# KiCad board 96_keeb.kicad_pcb
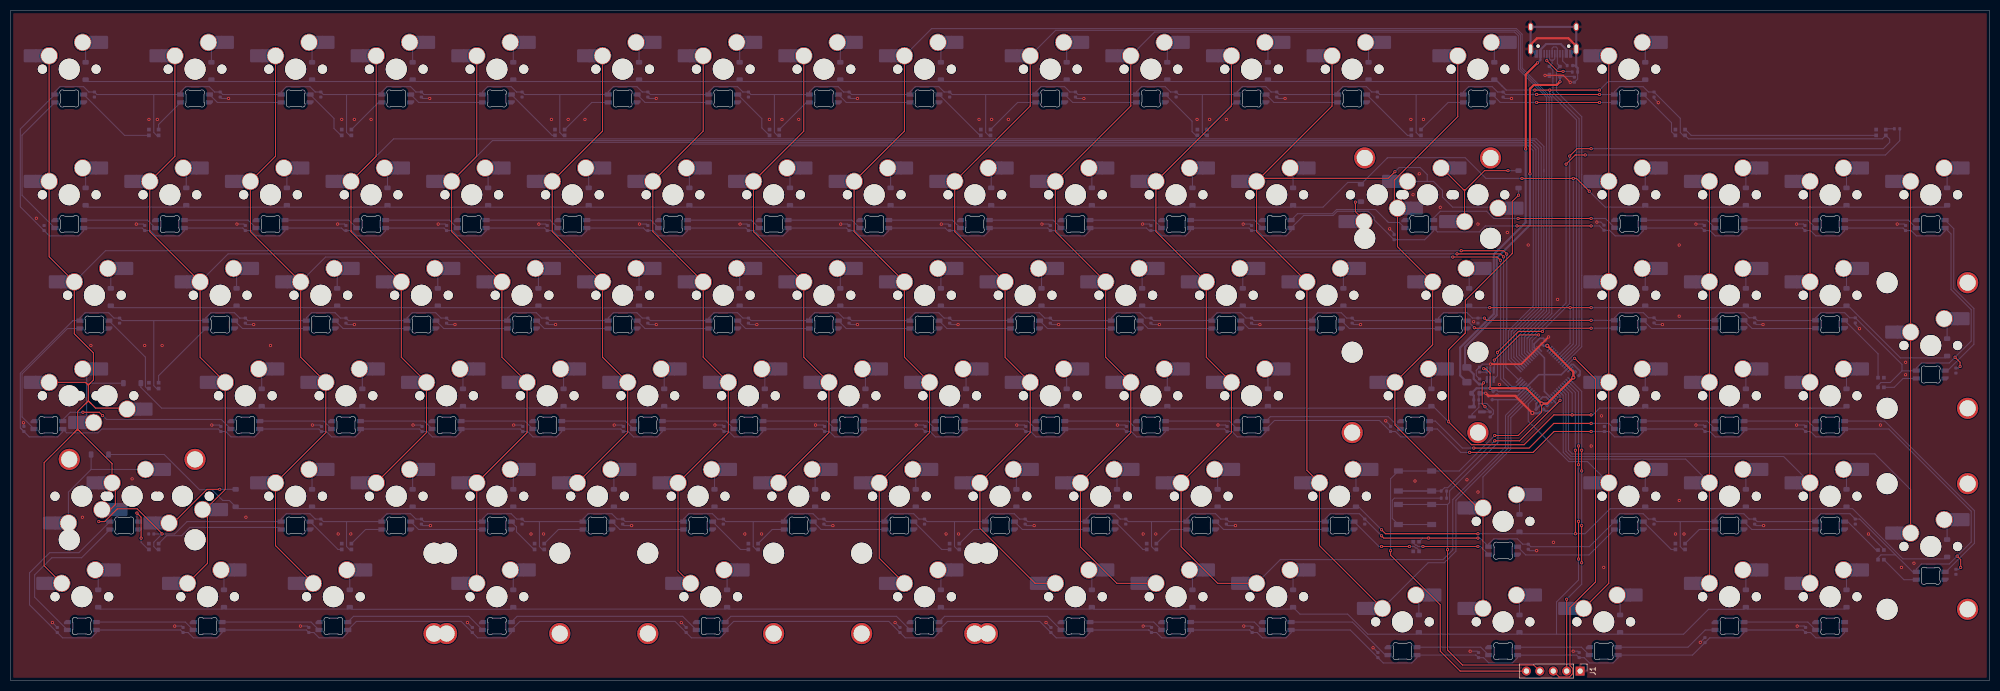
[diagram p0: board, top side]
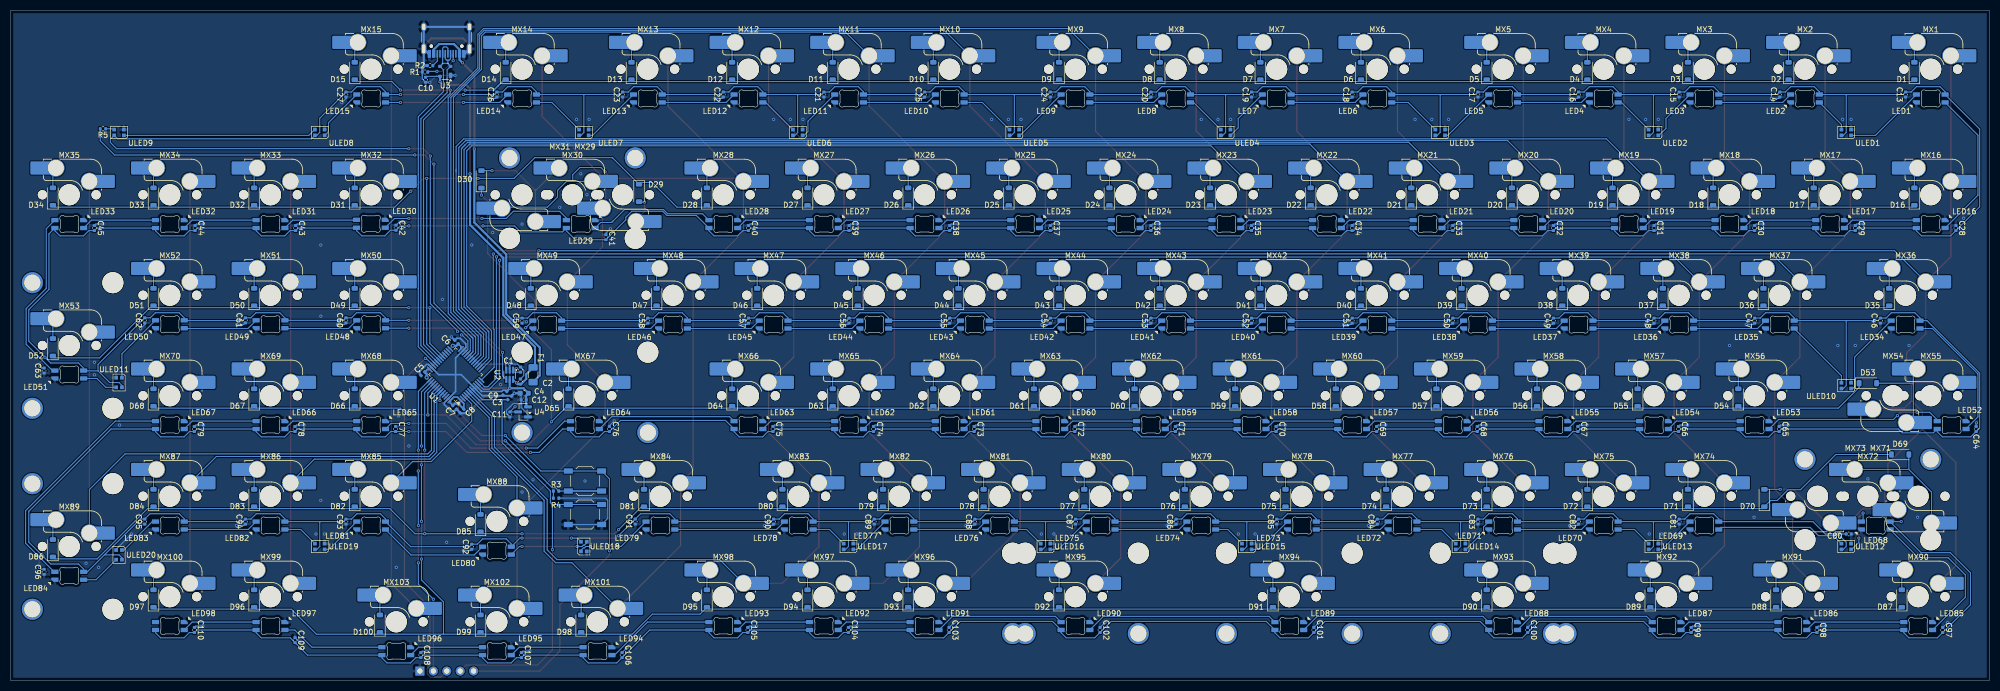
[diagram p1: board, bottom side, seen from below]

Outline 374.65 x 127 mm; copper layers: Top, Bottom. Coordinates in mm from the lower left corner of the outline.
Outline path: 0,127 374.65,127 374.65,0 0,0 0,127
Stack: Top 0.035mm / dielectric 1.51mm FR4 er 4.5 / Bottom 0.035mm

## Placement (name value [footprint] x y rotation side)
BOOT1  SW_SPST  [SW_SPST_TL3342]  265.9 37.81 180 bottom
C1  0.1uF  [C_0402_1005Metric]  278.11 58.93 270 bottom
C2  0.1uF  [C_0402_1005Metric]  278.12 56.67 90 bottom
C3  100nF  [C_0402_1005Metric]  280.18 53.57 135 bottom
C4  10uF  [C_0603_1608Metric]  277.38 54.45 0 bottom
C5  100nF  [C_0402_1005Metric]  296.59 58.14 315 bottom
C6  100nF  [C_0402_1005Metric]  290.22 64.15 45 bottom
C7  100nF  [C_0402_1005Metric]  290.58 51.78 225 bottom
C8  100nF  [C_0402_1005Metric]  289.16 51.07 315 bottom
C9  100nF  [C_0402_1005Metric]  281.06 54.45 315 bottom
C10  100nF  [C_0402_1005Metric]  296.07 113.88 270 bottom
C11  1uF  [C_0402_1005Metric]  280.12 50.43 270 bottom
C12  1uF  [C_0402_1005Metric]  277.51 53.19 0 bottom
C13  100nF  [C_0402_1005Metric]  15.87 111.08 90 bottom
C14  100nF  [C_0402_1005Metric]  39.69 111.08 90 bottom
C15  100nF  [C_0402_1005Metric]  58.74 111.08 90 bottom
C16  100nF  [C_0402_1005Metric]  77.79 111.08 90 bottom
C17  100nF  [C_0402_1005Metric]  96.84 111.08 90 bottom
C18  100nF  [C_0402_1005Metric]  120.65 111.08 90 bottom
C19  100nF  [C_0402_1005Metric]  139.7 111.08 90 bottom
C20  100nF  [C_0402_1005Metric]  158.75 111.08 90 bottom
C21  100nF  [C_0402_1005Metric]  220.66 111.08 90 bottom
C22  100nF  [C_0402_1005Metric]  239.71 111.08 90 bottom
C23  100nF  [C_0402_1005Metric]  258.76 111.08 90 bottom
C24  100nF  [C_0402_1005Metric]  177.8 111.08 90 bottom
C25  100nF  [C_0402_1005Metric]  201.61 111.08 90 bottom
C26  100nF  [C_0402_1005Metric]  282.57 111.08 90 bottom
C27  100nF  [C_0402_1005Metric]  311.15 111.08 90 bottom
C28  100nF  [C_0402_1005Metric]  6.35 85.77 270 bottom
C29  100nF  [C_0402_1005Metric]  25.4 85.77 270 bottom
C30  100nF  [C_0402_1005Metric]  44.45 85.77 270 bottom
C31  100nF  [C_0402_1005Metric]  63.5 85.77 270 bottom
C32  100nF  [C_0402_1005Metric]  82.55 85.77 270 bottom
C33  100nF  [C_0402_1005Metric]  101.6 85.77 270 bottom
C34  100nF  [C_0402_1005Metric]  120.65 85.77 270 bottom
C35  100nF  [C_0402_1005Metric]  139.7 85.77 270 bottom
C36  100nF  [C_0402_1005Metric]  158.75 85.77 270 bottom
C37  100nF  [C_0402_1005Metric]  177.8 85.77 270 bottom
C38  100nF  [C_0402_1005Metric]  196.85 85.77 270 bottom
C39  100nF  [C_0402_1005Metric]  215.9 85.77 270 bottom
C40  100nF  [C_0402_1005Metric]  234.95 85.77 270 bottom
C41  100nF  [C_0402_1005Metric]  261.94 84.03 270 bottom
C42  100nF  [C_0402_1005Metric]  301.68 85.82 270 bottom
C43  100nF  [C_0402_1005Metric]  320.68 85.77 270 bottom
C44  100nF  [C_0402_1005Metric]  339.73 85.77 270 bottom
C45  100nF  [C_0402_1005Metric]  358.77 85.77 270 bottom
C46  100nF  [C_0402_1005Metric]  20.64 68.22 90 bottom
C47  100nF  [C_0402_1005Metric]  44.45 68.22 90 bottom
C48  100nF  [C_0402_1005Metric]  63.5 68.22 90 bottom
C49  100nF  [C_0402_1005Metric]  82.55 68.22 90 bottom
C50  100nF  [C_0402_1005Metric]  101.6 68.22 90 bottom
C51  100nF  [C_0402_1005Metric]  120.65 68.22 90 bottom
C52  100nF  [C_0402_1005Metric]  139.7 68.22 90 bottom
C53  100nF  [C_0402_1005Metric]  158.75 68.22 90 bottom
C54  100nF  [C_0402_1005Metric]  177.8 68.22 90 bottom
C55  100nF  [C_0402_1005Metric]  196.85 68.22 90 bottom
C56  100nF  [C_0402_1005Metric]  215.9 68.22 90 bottom
C57  100nF  [C_0402_1005Metric]  234.95 68.22 90 bottom
C58  100nF  [C_0402_1005Metric]  254 68.22 90 bottom
C59  100nF  [C_0402_1005Metric]  277.81 68.22 90 bottom
C60  100nF  [C_0402_1005Metric]  311.15 68.27 90 bottom
C61  100nF  [C_0402_1005Metric]  330.2 68.27 90 bottom
C62  100nF  [C_0402_1005Metric]  349.25 68.27 90 bottom
C63  100nF  [C_0402_1005Metric]  368.3 58.75 90 bottom
C64  100nF  [C_0402_1005Metric]  2.52 47.67 270 bottom
C65  100nF  [C_0402_1005Metric]  39.81 47.67 270 bottom
C66  100nF  [C_0402_1005Metric]  58.86 47.67 270 bottom
C67  100nF  [C_0402_1005Metric]  77.91 47.67 270 bottom
C68  100nF  [C_0402_1005Metric]  96.96 47.67 270 bottom
C69  100nF  [C_0402_1005Metric]  116.01 47.67 270 bottom
C70  100nF  [C_0402_1005Metric]  135.06 47.67 270 bottom
C71  100nF  [C_0402_1005Metric]  154.11 47.67 270 bottom
C72  100nF  [C_0402_1005Metric]  173.16 47.67 270 bottom
C73  100nF  [C_0402_1005Metric]  192.21 47.67 270 bottom
C74  100nF  [C_0402_1005Metric]  211.26 47.67 270 bottom
C75  100nF  [C_0402_1005Metric]  230.31 47.67 270 bottom
C76  100nF  [C_0402_1005Metric]  261.27 47.67 270 bottom
C77  100nF  [C_0402_1005Metric]  301.75 47.67 270 bottom
C78  100nF  [C_0402_1005Metric]  320.8 47.67 270 bottom
C79  100nF  [C_0402_1005Metric]  339.85 47.67 270 bottom
C80  100nF  [C_0402_1005Metric]  26.64 27.77 0 bottom
C81  100nF  [C_0402_1005Metric]  58.74 30.12 90 bottom
C82  100nF  [C_0402_1005Metric]  77.79 30.12 90 bottom
C83  100nF  [C_0402_1005Metric]  96.84 30.12 90 bottom
C84  100nF  [C_0402_1005Metric]  115.89 30.12 90 bottom
C85  100nF  [C_0402_1005Metric]  134.94 30.12 90 bottom
C86  100nF  [C_0402_1005Metric]  153.99 30.12 90 bottom
C87  100nF  [C_0402_1005Metric]  173.04 30.12 90 bottom
C88  100nF  [C_0402_1005Metric]  192.09 30.12 90 bottom
C89  100nF  [C_0402_1005Metric]  211.14 30.12 90 bottom
C90  100nF  [C_0402_1005Metric]  230.19 30.12 90 bottom
C91  100nF  [C_0402_1005Metric]  256.38 30.12 90 bottom
C92  100nF  [C_0402_1005Metric]  287.34 25.36 90 bottom
C93  100nF  [C_0402_1005Metric]  311.15 30.12 90 bottom
C94  100nF  [C_0402_1005Metric]  330.2 30.12 90 bottom
C95  100nF  [C_0402_1005Metric]  349.25 30.12 90 bottom
C96  100nF  [C_0402_1005Metric]  368.3 20.59 90 bottom
C97  100nF  [C_0402_1005Metric]  8.84 9.57 270 bottom
C98  100nF  [C_0402_1005Metric]  32.66 9.57 270 bottom
C99  100nF  [C_0402_1005Metric]  56.47 9.57 270 bottom
C100  100nF  [C_0402_1005Metric]  87.43 9.57 270 bottom
C101  100nF  [C_0402_1005Metric]  127.91 9.57 270 bottom
C102  100nF  [C_0402_1005Metric]  168.39 9.57 270 bottom
C103  100nF  [C_0402_1005Metric]  196.96 9.57 270 bottom
C104  100nF  [C_0402_1005Metric]  216.01 9.57 270 bottom
C105  100nF  [C_0402_1005Metric]  235.06 9.57 270 bottom
C106  100nF  [C_0402_1005Metric]  258.88 4.8 270 bottom
C107  100nF  [C_0402_1005Metric]  277.93 4.8 270 bottom
C108  100nF  [C_0402_1005Metric]  296.98 4.8 270 bottom
C109  100nF  [C_0402_1005Metric]  320.79 7.64 270 bottom
C110  100nF  [C_0402_1005Metric]  339.84 9.57 270 bottom
D1  D  [D_SOD-123]  14.21 115.54 90 bottom
D2  D  [D_SOD-123]  38.02 115.54 90 bottom
D3  D  [D_SOD-123]  57.07 115.54 90 bottom
D4  D  [D_SOD-123]  76.12 115.54 90 bottom
D5  D  [D_SOD-123]  95.17 115.54 90 bottom
D6  D  [D_SOD-123]  118.99 115.54 90 bottom
D7  D  [D_SOD-123]  138.04 115.54 90 bottom
D8  D  [D_SOD-123]  157.09 115.54 90 bottom
D9  D  [D_SOD-123]  176.14 115.54 90 bottom
D10  D  [D_SOD-123]  199.95 115.54 90 bottom
D11  D  [D_SOD-123]  219 115.54 90 bottom
D12  D  [D_SOD-123]  238.05 115.54 90 bottom
D13  D  [D_SOD-123]  257.1 115.54 90 bottom
D14  D  [D_SOD-123]  280.91 115.54 90 bottom
D15  D  [D_SOD-123]  309.49 115.54 90 bottom
D16  D  [D_SOD-123]  14.21 91.73 90 bottom
D17  D  [D_SOD-123]  33.26 91.73 90 bottom
D18  D  [D_SOD-123]  52.31 91.73 90 bottom
D19  D  [D_SOD-123]  71.36 91.73 90 bottom
D20  D  [D_SOD-123]  90.41 91.73 90 bottom
D21  D  [D_SOD-123]  109.46 91.73 90 bottom
D22  D  [D_SOD-123]  128.51 91.73 90 bottom
D23  D  [D_SOD-123]  147.56 91.73 90 bottom
D24  D  [D_SOD-123]  166.61 91.73 90 bottom
D25  D  [D_SOD-123]  185.66 91.73 90 bottom
D26  D  [D_SOD-123]  204.71 91.73 90 bottom
D27  D  [D_SOD-123]  223.76 91.73 90 bottom
D28  D  [D_SOD-123]  242.81 91.73 90 bottom
D29  D  [D_SOD-123]  255.66 92.42 270 bottom
D30  D  [D_SOD-123]  285.5 95 90 bottom
D31  D  [D_SOD-123]  309.49 91.73 90 bottom
D32  D  [D_SOD-123]  328.54 91.73 90 bottom
D33  D  [D_SOD-123]  347.59 91.73 90 bottom
D34  D  [D_SOD-123]  366.64 91.73 90 bottom
D35  D  [D_SOD-123]  18.97 72.68 90 bottom
D36  D  [D_SOD-123]  42.79 72.68 90 bottom
D37  D  [D_SOD-123]  61.84 72.68 90 bottom
D38  D  [D_SOD-123]  80.89 72.68 90 bottom
D39  D  [D_SOD-123]  99.94 72.68 90 bottom
D40  D  [D_SOD-123]  118.99 72.68 90 bottom
D41  D  [D_SOD-123]  138.04 72.68 90 bottom
D42  D  [D_SOD-123]  157.09 72.68 90 bottom
D43  D  [D_SOD-123]  176.14 72.68 90 bottom
D44  D  [D_SOD-123]  195.19 72.68 90 bottom
D45  D  [D_SOD-123]  214.24 72.68 90 bottom
D46  D  [D_SOD-123]  233.29 72.68 90 bottom
D47  D  [D_SOD-123]  252.34 72.68 90 bottom
D48  D  [D_SOD-123]  276.15 72.68 90 bottom
D49  D  [D_SOD-123]  309.49 72.68 90 bottom
D50  D  [D_SOD-123]  328.54 72.68 90 bottom
D51  D  [D_SOD-123]  347.59 72.68 90 bottom
D52  D  [D_SOD-123]  366.64 63.16 90 bottom
D53  D  [D_SOD-123]  23.02 56.36 180 bottom
D54  D  [D_SOD-123]  47.55 53.63 90 bottom
D55  D  [D_SOD-123]  66.6 53.63 90 bottom
D56  D  [D_SOD-123]  85.65 53.63 90 bottom
D57  D  [D_SOD-123]  104.7 53.63 90 bottom
D58  D  [D_SOD-123]  123.75 53.63 90 bottom
D59  D  [D_SOD-123]  142.8 53.63 90 bottom
D60  D  [D_SOD-123]  161.85 53.63 90 bottom
D61  D  [D_SOD-123]  180.9 53.63 90 bottom
D62  D  [D_SOD-123]  199.95 53.63 90 bottom
D63  D  [D_SOD-123]  219 53.63 90 bottom
D64  D  [D_SOD-123]  238.05 53.63 90 bottom
D65  D  [D_SOD-123]  269 53.63 90 bottom
D66  D  [D_SOD-123]  309.49 53.63 90 bottom
D67  D  [D_SOD-123]  328.54 53.63 90 bottom
D68  D  [D_SOD-123]  347.59 53.63 90 bottom
D69  D  [D_SOD-123]  16.9 42.84 180 bottom
D70  D  [D_SOD-123]  42.61 34.58 90 bottom
D71  D  [D_SOD-123]  57.07 34.58 90 bottom
D72  D  [D_SOD-123]  76.12 34.58 90 bottom
D73  D  [D_SOD-123]  95.17 34.58 90 bottom
D74  D  [D_SOD-123]  114.22 34.58 90 bottom
D75  D  [D_SOD-123]  133.27 34.58 90 bottom
D76  D  [D_SOD-123]  152.32 34.58 90 bottom
D77  D  [D_SOD-123]  171.37 34.58 90 bottom
D78  D  [D_SOD-123]  190.42 34.58 90 bottom
D79  D  [D_SOD-123]  209.47 34.58 90 bottom
D80  D  [D_SOD-123]  228.52 34.58 90 bottom
D81  D  [D_SOD-123]  254.72 34.58 90 bottom
D82  D  [D_SOD-123]  309.49 34.58 90 bottom
D83  D  [D_SOD-123]  328.54 34.58 90 bottom
D84  D  [D_SOD-123]  347.59 34.58 90 bottom
D85  D  [D_SOD-123]  285.67 29.82 90 bottom
D86  D  [D_SOD-123]  366.64 25.06 90 bottom
D87  D  [D_SOD-123]  16.59 15.53 90 bottom
D88  D  [D_SOD-123]  40.4 15.53 90 bottom
D89  D  [D_SOD-123]  64.22 15.53 90 bottom
D90  D  [D_SOD-123]  95.17 15.53 90 bottom
D91  D  [D_SOD-123]  135.65 15.53 90 bottom
D92  D  [D_SOD-123]  176.14 15.53 90 bottom
D93  D  [D_SOD-123]  204.71 15.53 90 bottom
D94  D  [D_SOD-123]  223.76 15.53 90 bottom
D95  D  [D_SOD-123]  242.81 15.53 90 bottom
D96  D  [D_SOD-123]  328.54 15.53 90 bottom
D97  D  [D_SOD-123]  347.59 15.53 90 bottom
D98  D  [D_SOD-123]  266.62 10.77 90 bottom
D99  D  [D_SOD-123]  285.67 10.77 90 bottom
D100  D  [D_SOD-123]  304.72 10.77 90 bottom
F1  500mA  [Fuse_1206_3216Metric]  275.72 57.95 90 bottom
J1  Conn_01x05  [PinHeader_1x05_P2.54mm_Vertical]  297.15 1.78 270 top
J2  USB_C_Receptacle_USB2.0  [USB_C_Receptacle_HRO_TYPE-C-31-M-12]  292.1 122.85 0 bottom
LED1  SK6812MINI-E  [LED_6028R]  11.11 110.33 180 bottom
LED2  SK6812MINI-E  [LED_6028R]  34.92 110.33 180 bottom
LED3  SK6812MINI-E  [LED_6028R]  53.98 110.33 180 bottom
LED4  SK6812MINI-E  [LED_6028R]  73.03 110.33 180 bottom
LED5  SK6812MINI-E  [LED_6028R]  92.08 110.33 180 bottom
LED6  SK6812MINI-E  [LED_6028R]  115.89 110.33 180 bottom
LED7  SK6812MINI-E  [LED_6028R]  134.94 110.33 180 bottom
LED8  SK6812MINI-E  [LED_6028R]  153.99 110.33 180 bottom
LED9  SK6812MINI-E  [LED_6028R]  173.04 110.33 180 bottom
LED10  SK6812MINI-E  [LED_6028R]  196.85 110.33 180 bottom
LED11  SK6812MINI-E  [LED_6028R]  215.9 110.33 180 bottom
LED12  SK6812MINI-E  [LED_6028R]  234.95 110.33 180 bottom
LED13  SK6812MINI-E  [LED_6028R]  254 110.33 180 bottom
LED14  SK6812MINI-E  [LED_6028R]  277.81 110.33 180 bottom
LED15  SK6812MINI-E  [LED_6028R]  306.39 110.33 180 bottom
LED16  SK6812MINI-E  [LED_6028R]  11.11 86.52 0 bottom
LED17  SK6812MINI-E  [LED_6028R]  30.16 86.52 0 bottom
LED18  SK6812MINI-E  [LED_6028R]  49.21 86.52 0 bottom
LED19  SK6812MINI-E  [LED_6028R]  68.26 86.52 0 bottom
LED20  SK6812MINI-E  [LED_6028R]  87.31 86.52 0 bottom
LED21  SK6812MINI-E  [LED_6028R]  106.36 86.52 0 bottom
LED22  SK6812MINI-E  [LED_6028R]  125.41 86.52 0 bottom
LED23  SK6812MINI-E  [LED_6028R]  144.46 86.52 0 bottom
LED24  SK6812MINI-E  [LED_6028R]  163.51 86.52 0 bottom
LED25  SK6812MINI-E  [LED_6028R]  182.56 86.52 0 bottom
LED26  SK6812MINI-E  [LED_6028R]  201.61 86.52 0 bottom
LED27  SK6812MINI-E  [LED_6028R]  220.66 86.52 0 bottom
LED28  SK6812MINI-E  [LED_6028R]  239.71 86.52 0 bottom
LED29  SK6812MINI-E  [LED_6028R]  266.7 86.52 0 bottom
LED30  SK6812MINI-E  [LED_6028R]  306.44 86.57 0 bottom
LED31  SK6812MINI-E  [LED_6028R]  325.44 86.52 0 bottom
LED32  SK6812MINI-E  [LED_6028R]  344.49 86.52 0 bottom
LED33  SK6812MINI-E  [LED_6028R]  363.54 86.52 0 bottom
LED34  SK6812MINI-E  [LED_6028R]  15.87 67.47 180 bottom
LED35  SK6812MINI-E  [LED_6028R]  39.69 67.47 180 bottom
LED36  SK6812MINI-E  [LED_6028R]  58.74 67.47 180 bottom
LED37  SK6812MINI-E  [LED_6028R]  77.79 67.47 180 bottom
LED38  SK6812MINI-E  [LED_6028R]  96.84 67.47 180 bottom
LED39  SK6812MINI-E  [LED_6028R]  115.89 67.47 180 bottom
LED40  SK6812MINI-E  [LED_6028R]  134.94 67.47 180 bottom
LED41  SK6812MINI-E  [LED_6028R]  153.99 67.47 180 bottom
LED42  SK6812MINI-E  [LED_6028R]  173.04 67.47 180 bottom
LED43  SK6812MINI-E  [LED_6028R]  192.09 67.47 180 bottom
LED44  SK6812MINI-E  [LED_6028R]  211.14 67.47 180 bottom
LED45  SK6812MINI-E  [LED_6028R]  230.19 67.47 180 bottom
LED46  SK6812MINI-E  [LED_6028R]  249.24 67.47 180 bottom
LED47  SK6812MINI-E  [LED_6028R]  273.05 67.47 180 bottom
LED48  SK6812MINI-E  [LED_6028R]  306.39 67.52 180 bottom
LED49  SK6812MINI-E  [LED_6028R]  325.44 67.52 180 bottom
LED50  SK6812MINI-E  [LED_6028R]  344.49 67.52 180 bottom
LED51  SK6812MINI-E  [LED_6028R]  363.54 58 180 bottom
LED52  SK6812MINI-E  [LED_6028R]  7.16 48.42 0 bottom
LED53  SK6812MINI-E  [LED_6028R]  44.45 48.42 0 bottom
LED54  SK6812MINI-E  [LED_6028R]  63.5 48.42 0 bottom
LED55  SK6812MINI-E  [LED_6028R]  82.55 48.42 0 bottom
LED56  SK6812MINI-E  [LED_6028R]  101.6 48.42 0 bottom
LED57  SK6812MINI-E  [LED_6028R]  120.65 48.42 0 bottom
LED58  SK6812MINI-E  [LED_6028R]  139.7 48.42 0 bottom
LED59  SK6812MINI-E  [LED_6028R]  158.75 48.42 0 bottom
LED60  SK6812MINI-E  [LED_6028R]  177.8 48.42 0 bottom
LED61  SK6812MINI-E  [LED_6028R]  196.85 48.42 0 bottom
LED62  SK6812MINI-E  [LED_6028R]  215.9 48.42 0 bottom
LED63  SK6812MINI-E  [LED_6028R]  234.95 48.42 0 bottom
LED64  SK6812MINI-E  [LED_6028R]  265.91 48.42 0 bottom
LED65  SK6812MINI-E  [LED_6028R]  306.39 48.42 0 bottom
LED66  SK6812MINI-E  [LED_6028R]  325.44 48.42 0 bottom
LED67  SK6812MINI-E  [LED_6028R]  344.49 48.42 0 bottom
LED68  SK6812MINI-E  [LED_6028R]  21.53 29.37 180 bottom
LED69  SK6812MINI-E  [LED_6028R]  53.98 29.37 180 bottom
LED70  SK6812MINI-E  [LED_6028R]  73.03 29.37 180 bottom
LED71  SK6812MINI-E  [LED_6028R]  92.08 29.37 180 bottom
LED72  SK6812MINI-E  [LED_6028R]  111.12 29.37 180 bottom
LED73  SK6812MINI-E  [LED_6028R]  130.18 29.37 180 bottom
LED74  SK6812MINI-E  [LED_6028R]  149.22 29.37 180 bottom
LED75  SK6812MINI-E  [LED_6028R]  168.28 29.37 180 bottom
LED76  SK6812MINI-E  [LED_6028R]  187.33 29.37 180 bottom
LED77  SK6812MINI-E  [LED_6028R]  206.38 29.37 180 bottom
LED78  SK6812MINI-E  [LED_6028R]  225.43 29.37 180 bottom
LED79  SK6812MINI-E  [LED_6028R]  251.62 29.37 180 bottom
LED80  SK6812MINI-E  [LED_6028R]  282.57 24.61 180 bottom
LED81  SK6812MINI-E  [LED_6028R]  306.39 29.37 180 bottom
LED82  SK6812MINI-E  [LED_6028R]  325.44 29.37 180 bottom
LED83  SK6812MINI-E  [LED_6028R]  344.49 29.37 180 bottom
LED84  SK6812MINI-E  [LED_6028R]  363.54 19.84 180 bottom
LED85  SK6812MINI-E  [LED_6028R]  13.49 10.32 0 bottom
LED86  SK6812MINI-E  [LED_6028R]  37.31 10.32 0 bottom
LED87  SK6812MINI-E  [LED_6028R]  61.12 10.32 0 bottom
LED88  SK6812MINI-E  [LED_6028R]  92.08 10.32 0 bottom
LED89  SK6812MINI-E  [LED_6028R]  132.56 10.32 0 bottom
LED90  SK6812MINI-E  [LED_6028R]  173.04 10.32 0 bottom
LED91  SK6812MINI-E  [LED_6028R]  201.61 10.32 0 bottom
LED92  SK6812MINI-E  [LED_6028R]  220.66 10.32 0 bottom
LED93  SK6812MINI-E  [LED_6028R]  239.71 10.32 0 bottom
LED94  SK6812MINI-E  [LED_6028R]  263.52 5.56 0 bottom
LED95  SK6812MINI-E  [LED_6028R]  282.57 5.56 0 bottom
LED96  SK6812MINI-E  [LED_6028R]  301.62 5.56 0 bottom
LED97  SK6812MINI-E  [LED_6028R]  325.44 10.32 0 bottom
LED98  SK6812MINI-E  [LED_6028R]  344.49 10.32 0 bottom
MX1  MX_SW_HS  [SW_MX_HS_CPG151101S11_1u]  11.11 115.89 180 bottom
MX2  MX_SW_HS  [SW_MX_HS_CPG151101S11_1u]  34.92 115.89 180 bottom
MX3  MX_SW_HS  [SW_MX_HS_CPG151101S11_1u]  53.98 115.89 180 bottom
MX4  MX_SW_HS  [SW_MX_HS_CPG151101S11_1u]  73.03 115.89 180 bottom
MX5  MX_SW_HS  [SW_MX_HS_CPG151101S11_1u]  92.08 115.89 180 bottom
MX6  MX_SW_HS  [SW_MX_HS_CPG151101S11_1u]  115.89 115.89 180 bottom
MX7  MX_SW_HS  [SW_MX_HS_CPG151101S11_1u]  134.94 115.89 180 bottom
MX8  MX_SW_HS  [SW_MX_HS_CPG151101S11_1u]  153.99 115.89 180 bottom
MX9  MX_SW_HS  [SW_MX_HS_CPG151101S11_1u]  173.04 115.89 180 bottom
MX10  MX_SW_HS  [SW_MX_HS_CPG151101S11_1u]  196.85 115.89 180 bottom
MX11  MX_SW_HS  [SW_MX_HS_CPG151101S11_1u]  215.9 115.89 180 bottom
MX12  MX_SW_HS  [SW_MX_HS_CPG151101S11_1u]  234.95 115.89 180 bottom
MX13  MX_SW_HS  [SW_MX_HS_CPG151101S11_1u]  254 115.89 180 bottom
MX14  MX_SW_HS  [SW_MX_HS_CPG151101S11_1u]  277.81 115.89 180 bottom
MX15  MX_SW_HS  [SW_MX_HS_CPG151101S11_1u]  306.39 115.89 180 bottom
MX16  MX_SW_HS  [SW_MX_HS_CPG151101S11_1u]  11.11 92.07 180 bottom
MX17  MX_SW_HS  [SW_MX_HS_CPG151101S11_1u]  30.16 92.07 180 bottom
MX18  MX_SW_HS  [SW_MX_HS_CPG151101S11_1u]  49.21 92.07 180 bottom
MX19  MX_SW_HS  [SW_MX_HS_CPG151101S11_1u]  68.26 92.07 180 bottom
MX20  MX_SW_HS  [SW_MX_HS_CPG151101S11_1u]  87.31 92.07 180 bottom
MX21  MX_SW_HS  [SW_MX_HS_CPG151101S11_1u]  106.36 92.07 180 bottom
MX22  MX_SW_HS  [SW_MX_HS_CPG151101S11_1u]  125.41 92.07 180 bottom
MX23  MX_SW_HS  [SW_MX_HS_CPG151101S11_1u]  144.46 92.07 180 bottom
MX24  MX_SW_HS  [SW_MX_HS_CPG151101S11_1u]  163.51 92.07 180 bottom
MX25  MX_SW_HS  [SW_MX_HS_CPG151101S11_1u]  182.56 92.07 180 bottom
MX26  MX_SW_HS  [SW_MX_HS_CPG151101S11_1u]  201.61 92.07 180 bottom
MX27  MX_SW_HS  [SW_MX_HS_CPG151101S11_1u]  220.66 92.07 180 bottom
MX28  MX_SW_HS  [SW_MX_HS_CPG151101S11_1u]  239.71 92.07 180 bottom
MX29  MX_SW_HS  [SW_MX_HS_CPG151101S11_1u]  258.76 92.07 0 bottom
MX30  MX_SW_HS  [SW_MX_HS_CPG151101S11_1u]  268.29 92.07 180 bottom
MX31  MX_SW_HS  [SW_MX_HS_CPG151101S11_1u]  277.81 92.07 0 bottom
MX32  MX_SW_HS  [SW_MX_HS_CPG151101S11_1u]  306.39 92.07 180 bottom
MX33  MX_SW_HS  [SW_MX_HS_CPG151101S11_1u]  325.44 92.07 180 bottom
MX34  MX_SW_HS  [SW_MX_HS_CPG151101S11_1u]  344.49 92.07 180 bottom
MX35  MX_SW_HS  [SW_MX_HS_CPG151101S11_1u]  363.54 92.07 180 bottom
MX36  MX_SW_HS  [SW_MX_HS_CPG151101S11_1u]  15.87 73.02 180 bottom
MX37  MX_SW_HS  [SW_MX_HS_CPG151101S11_1u]  39.69 73.02 180 bottom
MX38  MX_SW_HS  [SW_MX_HS_CPG151101S11_1u]  58.74 73.02 180 bottom
MX39  MX_SW_HS  [SW_MX_HS_CPG151101S11_1u]  77.79 73.02 180 bottom
MX40  MX_SW_HS  [SW_MX_HS_CPG151101S11_1u]  96.84 73.02 180 bottom
MX41  MX_SW_HS  [SW_MX_HS_CPG151101S11_1u]  115.89 73.02 180 bottom
MX42  MX_SW_HS  [SW_MX_HS_CPG151101S11_1u]  134.94 73.02 180 bottom
MX43  MX_SW_HS  [SW_MX_HS_CPG151101S11_1u]  153.99 73.02 180 bottom
MX44  MX_SW_HS  [SW_MX_HS_CPG151101S11_1u]  173.04 73.02 180 bottom
MX45  MX_SW_HS  [SW_MX_HS_CPG151101S11_1u]  192.09 73.02 180 bottom
MX46  MX_SW_HS  [SW_MX_HS_CPG151101S11_1u]  211.14 73.02 180 bottom
MX47  MX_SW_HS  [SW_MX_HS_CPG151101S11_1u]  230.19 73.02 180 bottom
MX48  MX_SW_HS  [SW_MX_HS_CPG151101S11_1u]  249.24 73.02 180 bottom
MX49  MX_SW_HS  [SW_MX_HS_CPG151101S11_1u]  273.05 73.02 180 bottom
MX50  MX_SW_HS  [SW_MX_HS_CPG151101S11_1u]  306.39 73.02 180 bottom
MX51  MX_SW_HS  [SW_MX_HS_CPG151101S11_1u]  325.44 73.02 180 bottom
MX52  MX_SW_HS  [SW_MX_HS_CPG151101S11_1u]  344.49 73.02 180 bottom
MX53  MX_SW_HS  [SW_MX_HS_CPG151101S11_1u]  363.54 63.5 180 bottom
MX54  MX_SW_HS  [SW_MX_HS_CPG151101S11_1u]  18.26 53.97 0 bottom
MX55  MX_SW_HS  [SW_MX_HS_CPG151101S11_1u]  11.11 53.97 180 bottom
MX56  MX_SW_HS  [SW_MX_HS_CPG151101S11_1u]  44.45 53.97 180 bottom
MX57  MX_SW_HS  [SW_MX_HS_CPG151101S11_1u]  63.5 53.97 180 bottom
MX58  MX_SW_HS  [SW_MX_HS_CPG151101S11_1u]  82.55 53.97 180 bottom
MX59  MX_SW_HS  [SW_MX_HS_CPG151101S11_1u]  101.6 53.97 180 bottom
MX60  MX_SW_HS  [SW_MX_HS_CPG151101S11_1u]  120.65 53.97 180 bottom
MX61  MX_SW_HS  [SW_MX_HS_CPG151101S11_1u]  139.7 53.97 180 bottom
MX62  MX_SW_HS  [SW_MX_HS_CPG151101S11_1u]  158.75 53.97 180 bottom
MX63  MX_SW_HS  [SW_MX_HS_CPG151101S11_1u]  177.8 53.97 180 bottom
MX64  MX_SW_HS  [SW_MX_HS_CPG151101S11_1u]  196.85 53.97 180 bottom
MX65  MX_SW_HS  [SW_MX_HS_CPG151101S11_1u]  215.9 53.97 180 bottom
MX66  MX_SW_HS  [SW_MX_HS_CPG151101S11_1u]  234.95 53.97 180 bottom
MX67  MX_SW_HS  [SW_MX_HS_CPG151101S11_1u]  265.91 53.97 180 bottom
MX68  MX_SW_HS  [SW_MX_HS_CPG151101S11_1u]  306.39 53.97 180 bottom
MX69  MX_SW_HS  [SW_MX_HS_CPG151101S11_1u]  325.44 53.97 180 bottom
MX70  MX_SW_HS  [SW_MX_HS_CPG151101S11_1u]  344.49 53.97 180 bottom
MX71  MX_SW_HS  [SW_MX_HS_CPG151101S11_1u]  13.49 34.92 0 bottom
MX72  MX_SW_HS  [SW_MX_HS_CPG151101S11_1u]  23.02 34.92 180 bottom
MX73  MX_SW_HS  [SW_MX_HS_CPG151101S11_1u]  32.54 34.92 0 bottom
MX74  MX_SW_HS  [SW_MX_HS_CPG151101S11_1u]  53.98 34.92 180 bottom
MX75  MX_SW_HS  [SW_MX_HS_CPG151101S11_1u]  73.03 34.92 180 bottom
MX76  MX_SW_HS  [SW_MX_HS_CPG151101S11_1u]  92.08 34.92 180 bottom
MX77  MX_SW_HS  [SW_MX_HS_CPG151101S11_1u]  111.12 34.92 180 bottom
MX78  MX_SW_HS  [SW_MX_HS_CPG151101S11_1u]  130.18 34.92 180 bottom
MX79  MX_SW_HS  [SW_MX_HS_CPG151101S11_1u]  149.22 34.92 180 bottom
MX80  MX_SW_HS  [SW_MX_HS_CPG151101S11_1u]  168.28 34.92 180 bottom
MX81  MX_SW_HS  [SW_MX_HS_CPG151101S11_1u]  187.33 34.92 180 bottom
MX82  MX_SW_HS  [SW_MX_HS_CPG151101S11_1u]  206.38 34.92 180 bottom
MX83  MX_SW_HS  [SW_MX_HS_CPG151101S11_1u]  225.43 34.92 180 bottom
MX84  MX_SW_HS  [SW_MX_HS_CPG151101S11_1u]  251.62 34.92 180 bottom
MX85  MX_SW_HS  [SW_MX_HS_CPG151101S11_1u]  306.39 34.92 180 bottom
MX86  MX_SW_HS  [SW_MX_HS_CPG151101S11_1u]  325.44 34.92 180 bottom
MX87  MX_SW_HS  [SW_MX_HS_CPG151101S11_1u]  344.49 34.92 180 bottom
MX88  MX_SW_HS  [SW_MX_HS_CPG151101S11_1u]  282.57 30.16 180 bottom
MX89  MX_SW_HS  [SW_MX_HS_CPG151101S11_1u]  363.54 25.4 180 bottom